# Allegro board DPU_PoE_A1_Oct-9-26.brd (continued)
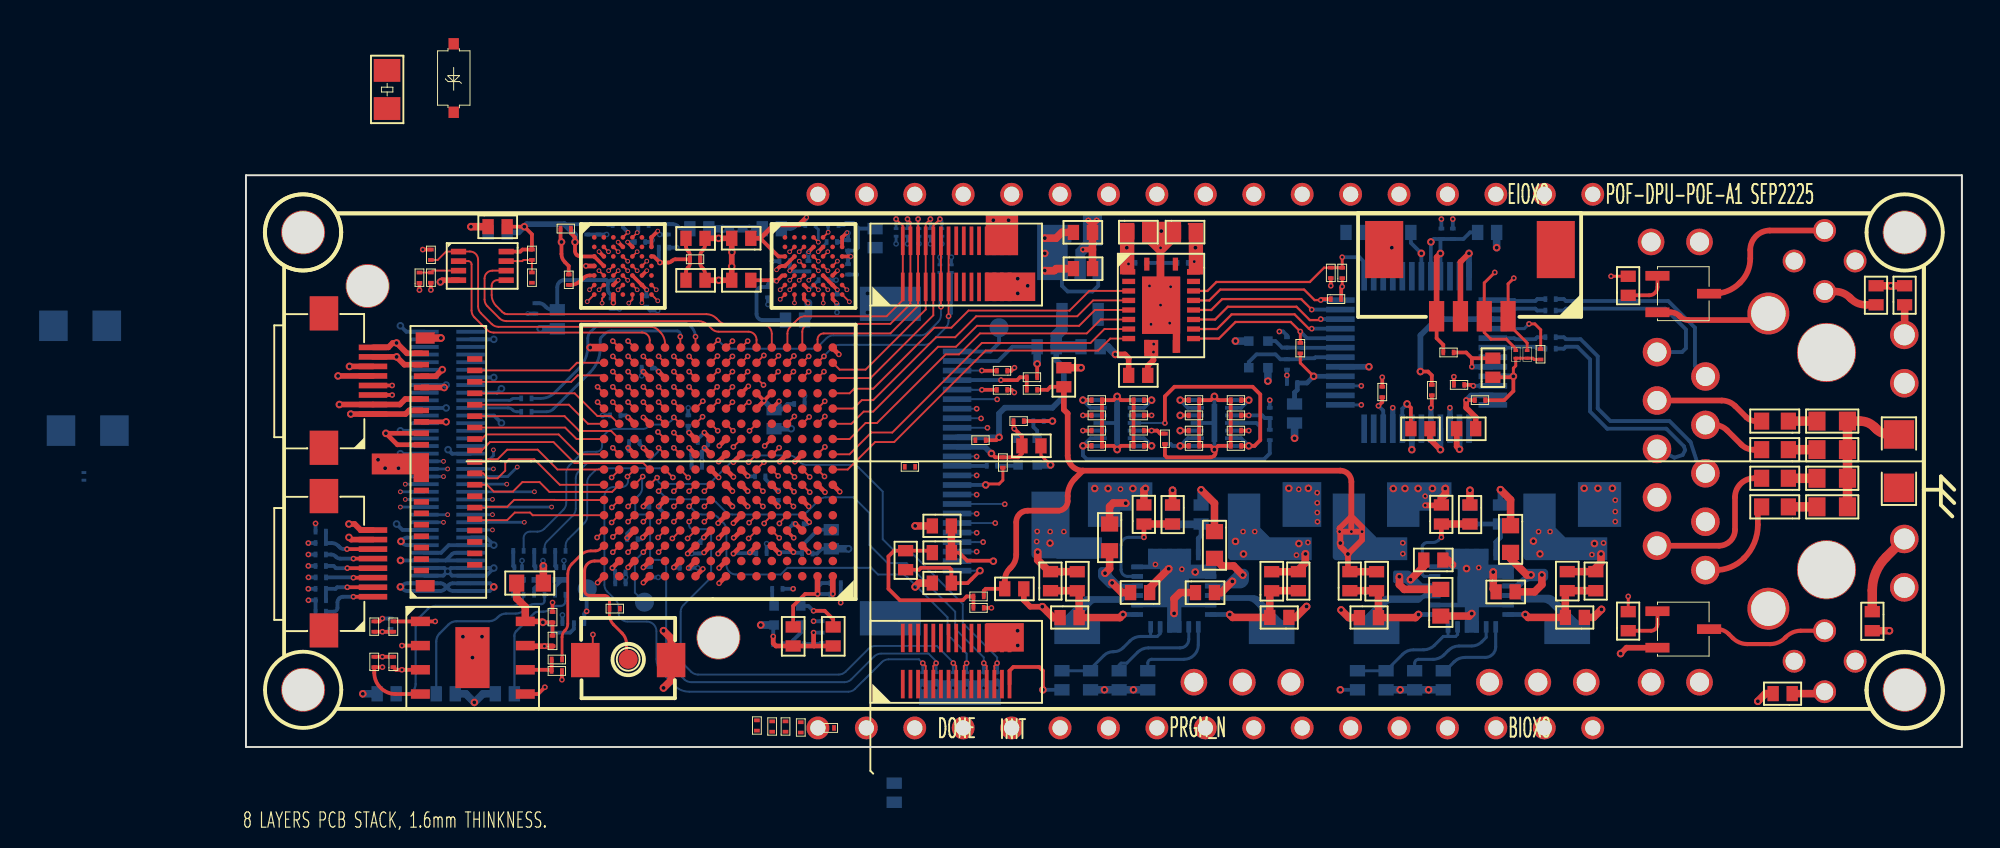
[diagram p0: board, top side]
## Footprints (pads in the part's own frame, mm; a bottom-side part is the same pattern mirrored in y, then rotated) (continued)
CONN-1X2P-2D54
  round 1.4 hole 1: 1(0,0) 2(2.54,0)
CONN-1X3P-2D54
  round 1.4 hole 1: 1(0,0) 2(2.54,0) 3(5.08,0)
DF40HC-70DS_
  rect 0.2x1.5 smd: 1(0,-2.42) 2(0,0) 3(0.4,-2.42) 4(0.4,0) 5(0.8,-2.42) 6(0.8,0) 7(1.2,-2.42) 8(1.2,0) 9(1.6,-2.42) 10(1.6,0) 11(2,-2.42) 12(2,0) 13(2.4,-2.42) 14(2.4,0) 15(2.8,-2.42) 16(2.8,0) 17(3.2,-2.42) 18(3.2,0) 19(3.6,-2.42) 20(3.6,0) 21(4,-2.42) 22(4,0) 23(4.4,-2.42) 24(4.4,0) 25(4.8,-2.42) 26(4.8,0) 27(5.2,-2.42) 28(5.2,0) 29(5.6,-2.42) 30(5.6,0) 31(6,-2.42) 32(6,0) 33(6.4,-2.42) 34(6.4,0) 35(6.8,-2.42) 36(6.8,0) 37(7.2,-2.42) 38(7.2,0) 39(7.6,-2.42) 40(7.6,0) 41(8,-2.42) 42(8,0) 43(8.4,-2.42) 44(8.4,0) 45(8.8,-2.42) 46(8.8,0) 47(9.2,-2.42) 48(9.2,0) 49(9.6,-2.42) 50(9.6,0) 51(10,-2.42) 52(10,0) 53(10.4,-2.42) 54(10.4,0) 55(10.8,-2.42) 56(10.8,0) 57(11.2,-2.42) 58(11.2,0) 59(11.6,-2.42) 60(11.6,0) 61(12,-2.42) 62(12,0) 63(12.4,-2.42) 64(12.4,0) 65(12.8,-2.42) 66(12.8,0) 67(13.2,-2.42) 68(13.2,0) 69(13.6,-2.42) 70(13.6,0)
DF40HC_3D0_30DS_0D4
  rect 0.2x1.5 smd: 1(0,-2.42) 2(0,0) 3(0.4,-2.42) 4(0.4,0) 5(0.8,-2.42) 6(0.8,0) 7(1.2,-2.42) 8(1.2,0) 9(1.6,-2.42) 10(1.6,0) 11(2,-2.42) 12(2,0) 13(2.4,-2.42) 14(2.4,0) 15(2.8,-2.42) 16(2.8,0) 17(3.2,-2.42) 18(3.2,0) 19(3.6,-2.42) 20(3.6,0) 21(4,-2.42) 22(4,0) 23(4.4,-2.42) 24(4.4,0) 25(4.8,-2.42) 26(4.8,0) 27(5.2,-2.42) 28(5.2,0) 29(5.6,-2.42) 30(5.6,0)
DFN-3-1X0D6
  rect 0.2x0.3 smd: 1(0.2,0.34) 2(-0.2,0.34)
  rect 0.8x0.3 smd: 3(0,-0.32)
DSN0603-2
  rect 0.15x0.25 smd: 1(0,0) 2(0.4,0)
FH35C-39S-0D3SHW
  rect 0.3x0.8 smd: 1(5.7,0) 2(5.4,2.8) 3(5.1,0) 4(4.8,2.8) 5(4.5,0) 6(4.2,2.8) 7(3.9,0) 8(3.6,2.8) 9(3.3,0) 10(3,2.8) 11(2.7,0) 12(2.4,2.8) 13(2.1,0) 14(1.8,2.8) 15(1.5,0) 16(1.2,2.8) 17(0.9,0) 18(0.6,2.8) 19(0.3,0) 20(0,2.8) 21(-0.3,0) 22(-0.6,2.8) 23(-0.9,0) 24(-1.2,2.8) 25(-1.5,0) 26(-1.8,2.8) 27(-2.1,0) 28(-2.4,2.8) 29(-2.7,0) 30(-3,2.8) 31(-3.3,0) 32(-3.6,2.8) 33(-3.9,0) 34(-4.2,2.8) 35(-4.5,0) 36(-4.8,2.8) 37(-5.1,0) 38(-5.4,2.8) 39(-5.7,0)
  rect 0.6x1 smd: 40(6.5,0.2) 41(-6.5,0.2)
FPC-0D5-8P
  rect 0.3x1.5 smd: 1(0,0) 2(0.5,0) 3(1,0) 4(1.5,0) 5(2,0) 6(2.5,0) 7(3,0) 8(3.5,0)
  rect 1.8x1.5 smd: 9(-1.767,2.573) 10(5.283,2.573)
FPC-0D5-24P
  rect 0.3x1.5 smd: 1(11.5,0) 2(11,0) 3(10.5,0) 4(10,0) 5(9.5,0) 6(9,0) 7(8.5,0) 8(8,0) 9(7.5,0) 10(7,0) 11(6.5,0) 12(6,0) 13(5.5,0) 14(5,0) 15(4.5,0) 16(4,0) 17(3.5,0) 18(3,0) 19(2.5,0) 20(2,0) 21(1.5,0) 22(1,0) 23(0.5,0) 24(0,0)
  rect 1.8x3.2 smd: 25(-2.5,-3.5) 26(14,-3.5)
IND_SMD_4D4X4D2
  rect 1.05x2.2 smd: 1(0,0) 2(4.4,0)
L0201_SMT
  rect 0.2x0.3 smd: 1(0,0) 2(0.544,0)
LD_CIR_THR_4P
  round 1.2 hole 0.9: 1(1.6,0) 2(-1.6,0) 3(0,1.6) 4(0,-1.6)
LED0402_SMT
  rect 0.6x0.8 smd: 1(0,0) 2(1,0)
LQFP-48
  rect 0.3x1.5 smd: 1(-2.75,-4) 2(-2.25,-4) 3(-1.75,-4) 4(-1.25,-4) 5(-0.75,-4) 6(-0.25,-4) 7(0.25,-4) 8(0.75,-4) 9(1.25,-4) 10(1.75,-4) 11(2.25,-4) 12(2.75,-4) 25(2.75,4) 26(2.25,4) 27(1.75,4) 28(1.25,4) 29(0.75,4) 30(0.25,4) 31(-0.25,4) 32(-0.75,4) 33(-1.25,4) 34(-1.75,4) 35(-2.25,4) 36(-2.75,4)
  rect 1.5x0.3 smd: 13(4,-2.75) 14(4,-2.25) 15(4,-1.75) 16(4,-1.25) 17(4,-0.75) 18(4,-0.25) 19(4,0.25) 20(4,0.75) 21(4,1.25) 22(4,1.75) 23(4,2.25) 24(4,2.75) 37(-4,2.75) 38(-4,2.25) 39(-4,1.75) 40(-4,1.25) 41(-4,0.75) 42(-4,0.25) 43(-4,-0.25) 44(-4,-0.75) 45(-4,-1.25) 46(-4,-1.75) 47(-4,-2.25) 48(-4,-2.75)
R0201_SMT
  rect 0.2x0.3 smd: 1(0,0) 2(0.544,0)
R0402_SMT
  rect 0.6x0.8 smd: 1(0,0) 2(1,0)
R0603_SMT
  rect 0.9x1 smd: 1(0,0) 2(1.6,0)
R0805
  rect 1.2x1.4 smd: 1(0,0) 2(2,0)
RJ-45-POE
  round 1.5 hole 1: 1(5.72,-8.89) 2(4.44,-6.35) 3(3.18,-8.89) 4(1.9,-6.35) 5(0.64,-8.89) 6(-0.64,-6.35) 7(-1.9,-8.89) 8(-3.18,-6.35) 9(-4.44,-8.89) 10(-5.72,-6.35)
  round 1.5 hole 1.1: 11(6.625,4.08) 12(4.085,4.08) 13(-4.085,4.08) 14(-6.625,4.08)
  round 2.2 hole 1.8: GND1(-7.745,-3.05) GND2(7.745,-3.05)
SMD2016-4P
  rect 0.5x0.5 smd: 1(0,-1) 2(1.4,-1) 3(1.4,0) 4(0,0)
SMD-1D25-4P-DEG0
  rect 0.8x1.6 smd: 1(0,0) 2(1.25,0) 3(2.5,0) 4(3.75,0)
  rect 2x3 smd: 5(6.5,-3.5) 6(-2.5,-3.5)
SOD-123
  rect 0.6x0.55 smd: 1(-1.795,0.005) 2(1.795,0.005)
SOT23-3
  rect 0.51x1.27 smd: 1(0.476,0.434) 2(2.391,0.434) 3(1.415,3.142)
SOT-23-5
  rect 1.2x0.6 smd: 1(0,0) 2(0,-0.95) 3(0,-1.9) 4(2.4,-1.9) 5(2.4,0)
SW_SMD_2P_L3D9_W3D0_P4D5
  rect 1.5x1.8 smd: 1(0,0) 2(4.5,0)
TP_SMD_1D0_NP
  round 1 smd: 1(0,0)
TP_THR_CIR_0D8_1D2
  round 1.2 hole 0.8: 1(0,0)
TQFN-24
  rect 0.25x0.6 smd: 1(-1.25,-1.9) 2(-0.75,-1.9) 3(-0.25,-1.9) 4(0.25,-1.9) 5(0.75,-1.9) 6(1.25,-1.9) 13(1.25,1.9) 14(0.75,1.9) 15(0.25,1.9) 16(-0.25,1.9) 17(-0.75,1.9) 18(-1.25,1.9)
  rect 0.6x0.25 smd: 7(1.95,-1.25) 8(1.95,-0.75) 9(1.95,-0.25) 10(1.95,0.25) 11(1.95,0.75) 12(1.95,1.25) 19(-1.9,1.25) 20(-1.9,0.75) 21(-1.9,0.25) 22(-1.9,-0.25) 23(-1.9,-0.75) 24(-1.9,-1.25)
  rect 1.5x1.5 smd: EPAD(0,0)
UDFN-8-2X3
  rect 0.3x0.8 smd: 1(0,-2.5) 2(0.5,-2.5) 3(1,-2.5) 4(1.5,-2.5) 5(1.5,0) 6(1,0) 7(0.5,0) 8(0,0)
unnamed
  round 3.1 hole 3 unplated: (0,0)
unnamed#2
  round 2.3 hole 2.2 unplated: (0,0)
VQFN-20
  rect 0.68x0.28 smd: 1(-2.157,-0.75) 10(2.158,-0.75) 11(2.158,0.75) 20(-2.157,0.75)
  rect 0.28x0.68 smd: 2(-1.75,-1.7) 3(-1.25,-1.7) 4(-0.75,-1.7) 5(-0.25,-1.7) 6(0.25,-1.7) 7(0.75,-1.7) 8(1.25,-1.7) 9(1.75,-1.7) 12(1.75,1.7) 13(1.25,1.7) 14(0.75,1.7) 15(0.25,1.7) 16(-0.25,1.7) 17(-0.75,1.7) 18(-1.25,1.7) 19(-1.75,1.7)
  rect 3x2 smd: EPAD(0,0)
WFBGA-49
  round 0.25 smd: A1(0,0) A2(0.5,0) A3(1,0) A4(1.5,0) A5(2,0) A6(2.5,0) A7(3,0) B1(0,-0.5) B2(0.5,-0.5) B3(1,-0.5) B4(1.5,-0.5) B5(2,-0.5) B6(2.5,-0.5) B7(3,-0.5) C1(0,-1) C2(0.5,-1) C3(1,-1) C4(1.5,-1) C5(2,-1) C6(2.5,-1) C7(3,-1) D1(0,-1.5) D2(0.5,-1.5) D3(1,-1.5) D4(1.5,-1.5) D5(2,-1.5) D6(2.5,-1.5) D7(3,-1.5) E1(0,-2) E2(0.5,-2) E3(1,-2) E4(1.5,-2) E5(2,-2) E6(2.5,-2) E7(3,-2) F1(0,-2.5) F2(0.5,-2.5) F3(1,-2.5) F4(1.5,-2.5) F5(2,-2.5) F6(2.5,-2.5) F7(3,-2.5) G1(0,-3) G2(0.5,-3) G3(1,-3) G4(1.5,-3) G5(2,-3) G6(2.5,-3) G7(3,-3)
WSON-8-EP-6X5MM
  rect 1x0.5 smd: 1(-2.73,1.9) 2(-2.73,0.63) 3(-2.73,-0.64) 4(-2.73,-1.91) 5(2.77,-1.91) 6(2.77,-0.64) 7(2.77,0.63) 8(2.77,1.9)
  rect 1.8x3.2 smd: EP(0,0)
WSON-14-EP
  rect 0.2x0.7 smd: 1(0,-1.8) 2(0.4,-1.8) 3(0.8,-1.8) 4(1.2,-1.8) 5(1.6,-1.8) 6(2,-1.8) 7(2.4,-1.8) 8(2.4,0) 9(2,0) 10(1.6,0) 11(1.2,0) 12(0.8,0) 13(0.4,0) 14(0,0)
  rect 2x0.3 smd: EP(1.197,-0.895)

## Nets
GND: C1.1 C2.2 C3.2 C4.2 C5.1 C6.1 C7.2 C8.1 C9.1 C10.1 C11.2 C12.1 C13.1 C14.1 C17.1 C18.1 C19.1 C20.1 C21.1 C22.1 C23.1 C24.2 C25.2 C26.1 C27.1 C29.2 C30.2 C31.2 C32.1 C34.2 C36.1 C37.1 C38.1 C40.1 C41.1 C43.1 C44.2 C45.1 C46.1 C47.1 C48.2 C49.2 C50.1 C51.1 C54.2 C55.1 C56.1 C57.2 C58.1 C59.1 C60.1 C61.1 C62.1 C63.1 C64.1 C65.1 C66.1 C67.2 C68.2 C69.2 C70.1 C71.1 C72.1 C73.1 C74.1 C75.1 C76.1 C77.1 C78.1 C79.1 C80.1 C81.1 C82.2 C83.1 C84.1 C85.1 C86.1 C87.1 C88.1 C89.2 C90.2 C91.1 C92.2 C93.2 C94.2 C95.1 C96.1 C97.2 C98.2 C99.1 C100.1 C101.1 C102.2 C103.1 C104.2 C105.2 C106.1 C107.1 C108.1 C109.1 C110.1 C111.2 C112.1 C113.1 C114.1 C115.1 C116.2 C117.1 C118.1 C119.2 C120.1 C121.2 C122.1 C123.1 C124.1 C125.1 C126.1 C127.2 C128.2 C129.2 C130.1 C131.2 C132.1 C133.1 C134.1 C135.1 C136.2 C137.1 C138.2 C139.1 C140.1 C141.1 C142.2 C143.1 C144.2 C145.2 C146.1 D1.1 D2.1 D3.1 D4.1 D5.1 D6.1 D7.2 D8.1 D9.1 D11.1 D12.1 D13.1 D14.1 D15.1 D20.1 D21.1 D22.1 J2.24 J2.26 J2.28 J2.30 J4.6 J4.8 J4.10 J4.12 J5.7 J5.9 J5.10 J6.2 J6.15 J6.25 J6.26 J7.5 J7.6 J7.7 J7.8 J7.11 J7.14 J7.16 J7.17 J7.37 J7.38 J7.43 J7.48 J7.49 J7.54 J7.55 J7.58 J7.68 J7.69 J8.3 J8.5 J8.6 J9.5 J9.6 J9.9 J9.10 J10.3 J11.3 Q1.2(E) Q2.2(E) Q3.2(EMITTER) Q4.2(EMITTER) Q5.2(EMITTER) R3.1 R4.1 R13.2 R15.2 R19.2 R32.2 R33.2 R37.2 R40.1 R41.1 R42.1 R45.1 R56.2 R58.2 R70.1 R71.1 R72.1 R73.1 R86.2 R90.1 SW1.1 U1.A7 U1.B4 U1.B7 U1.C2 U1.D1 U1.E6 U1.G3 U1.G6(VSSQ#G6) U2.A7 U2.B4 U2.B7 U2.C2 U2.D1 U2.E6 U2.G3 U2.G6(VSSQ#G6) U3.11 U3.EPAD U4.4 U5.11 U5.EP U6.11 U6.EP U7.A1 U7.A8 U7.A10 U7.A13 U7.A16 U7.B8 U7.B10 U7.B14(VSSSD#B14) U7.C3 U7.C6 U7.C9 U7.C10 U7.D3 U7.D8 U7.D14 U7.E7 U7.E8 U7.F3 U7.F12 U7.G1 U7.G2 U7.G5 U7.G8 U7.H8 U7.H9 U7.J3 U7.J7 U7.J8 U7.J9 U7.J14 U7.L13 U7.M5 U7.N7 U7.P13 U7.T1 U7.T16 U8.2 U9.4 U9.EP U11.3 U11.4 U11.8 U11.12 U11.13 U11.14 U11.15 U11.16 U11.17 U11.19 U11.20 U11.23 U11.EPAD U12.3 U12.9 U12.14 U12.16 U12.19 U12.29 U12.48 U13.GND1 U13.GND2 U14.3 U14.4 U14.8 U14.12 U14.13 U14.14 U14.15 U14.16 U14.17 U14.19 U14.20 U14.23 U14.EPAD Y1.23 Y1.25 Y1.27 Y1.33 Y1.35 Y1.40 Y1.41 Y2.2 Y2.4(GND#4) Y3.2 Y4.2
GND_EARTH: C35.1
P1V0: C53.2 C60.2 C105.1 C111.1 C113.2 C116.1 C127.1 C128.1 C129.1 C130.2 C131.1 C134.2 C135.2 C136.1 C138.1 C144.1 L3.2 R47.2 U7.A2 U7.B15 U7.C4 U7.C5 U7.C7 U7.D7 U7.D9 U7.H7 U7.J10 U7.K9
P1V5: C29.1 C34.1 C48.1 J6.10 U8.5(OUT)
P1V8: C1.2 C3.1 C4.1 C5.2 C6.2 C7.1 C9.2 C10.2 C11.1 C12.2 C17.2 C18.2 C19.2 C22.2 C30.1 C31.1 C47.2 C49.1 C52.2 C54.1 C55.2 C57.1 C59.2 C63.2 C64.2 C65.2 C66.2 C67.1 C68.1 C69.1 C70.2 C71.2 C72.2 C74.2 C75.2 C76.2 C77.2 C78.2 C79.2 C80.2 C81.2 C82.1 C83.2 C84.2 C85.2 C86.2 C87.2 C88.2 C89.1 C90.1 C94.1 C96.2 C99.2 C100.2 C104.1 C106.2 C117.2 C123.2 C124.2 C125.2 C126.2 C132.2 C133.2 C137.2 C139.2 C140.2 C141.2 C145.1 C146.2 J2.23 J2.25 J2.27 J2.29 J5.8 J6.11 J9.1 J9.2 L4.2 R11.1 R12.1 R14.1 R16.1 R17.1 R28.2 R39.2 R46.2 R48.1 R50.2 R51.2 R52.2 R53.2 R55.2 R61.1 R62.2 R63.1 R64.2 R85.1 R87.1 R88.1 R89.1 U1.B5 U1.C1 U1.C7 U1.D2 U1.E1 U1.E5 U1.F3 U1.F6 U2.B5 U2.C1 U2.C7 U2.D2 U2.E1 U2.E5 U2.F3 U2.F6 U3.2 U3.10 U4.8 U5.1 U5.2 U7.B11 U7.B13 U7.C8 U7.D13 U7.E3 U7.F5 U7.F7 U7.F8 U7.F13 U7.G7 U7.J4 U7.J13 U7.K8 U7.K10 U7.L14 U7.M6 U7.N5 U7.N6 U7.P12 U8.1 U8.3 U9.8 Y1.29 Y1.31 Y3.4(VCC) Y4.4(VCC)
P2V8: C16.2 C23.2 C24.1 C97.1 FB1.1 FB3.1 J4.16 J4.18 J4.20 J4.22 L1.2 R9.2
P3V3: C2.1 C8.2 C15.2 C27.2 C40.2 C73.2 C91.2 C92.1 C93.1 C98.1 C102.1 C119.1 C142.1 D20.2 FB2.1 J4.24 J4.26 J4.28 J4.30 J8.4 J9.7 J9.8 L2.2 R6.2 R7.2 R8.2 R10.1 R21.2 R24.2 R49.2 R60.2 U3.19(VCCB) U6.1 U6.2 U6.6 U6.7 U12.28 U12.43 U12.44 U12.45 Y1.37 Y1.39
P3V3A: C36.2 C37.2 C41.2 C45.2 C46.2 FB2.2 U12.4 U12.8 U12.11 U12.15 U12.17 U12.21
P5V0: C13.2 C14.2 C20.2 C21.2 C50.2 C51.2 C61.2 C62.2 C107.2 C121.1 C122.2 D7.1(CATHODE) D17.2 D18.2 D19.2 F1.2 J10.1 J11.1 R1.2 R18.1 R35.2 R57.1 R65.2 R66.2 R67.2 R76.2 R77.2 R84.2 U5.4 U5.6 U5.7 U6.4 U11.10 U11.21 U14.10 U14.21 Y1.17 Y1.19 Y1.21
P5V0_IN: F1.1
ACTLED: U12.27 U13.12
BIO-3: U7.G11
BIO-8: U7.H10
BIO-9: U7.H11
C13: TP8.1(TP) U7.C13
CENTER12: C28.2 J12.1 U13.3
CENTER56: C33.2 J12.2 U13.4
DBG_RXD: D21.2 J8.1 U7.K5
DBG_TXD: D22.2 J8.2 U7.H6
DONE: R53.1 TP4.1(TP) U7.B16
DVP_D0: J6.19 U7.E4
DVP_D1: J6.21 U7.E6
DVP_D2: J6.22 U7.D6
DVP_D3: J6.20 U7.E5
DVP_D4: J6.18 U7.D5
DVP_D5: J6.16 U7.F6
DVP_D6: J6.14 U7.G3
DVP_D7: J6.12 U7.H2
DVP_HSYNC: J6.9 U7.H3
DVP_MCLK: J6.13 R30.2
DVP_PCLK: J6.17 U7.F4
DVP_PWDN: J6.8 U7.J2
DVP_RST: J6.6 U7.J5
DVP_SCL: J6.5 R17.2 U7.L3
DVP_SDA: J6.3 R16.2 U7.M2
DVP_VSYNC: J6.7(VSYNC) U7.H4
E_CSN: U3.9 U7.H1
E_INT: U3.5 U7.M1
E_MISO: U3.7 U7.K1
E_MOSI: U3.6 U7.L1
E_RST: U3.4 U7.N1
E_SCLK: U3.8 U7.J1
EIO-1: U7.L6
EIO-4: U7.G6
EN_ME1: R35.1 R36.1 U14.5 U14.6
EN_ME2: R1.1 R2.1 U11.5 U11.6
ETH_CSN: R24.1 U3.12 U12.32
ETH_INT: R21.1 U3.16 U12.36
ETH_MISO: U3.14 U12.34
ETH_MOSI: U3.15 U12.35
ETH_RST: C25.1 R10.2 U3.17 U12.37
ETH_SCLK: U3.13 U12.33
FP_LED0: J9.3 U7.M7
FP_LED1: J9.4 U7.M8
H1_CKN: U2.B2 U7.T8
H1_CKP: U2.B3 U7.T7
H1_CS: R62.1 U2.A4 U7.P5
H1_D0: U2.D4 U7.P7
H1_D1: U2.D3 U7.R8
H1_D2: U2.C5 U7.P3
H1_D3: U2.D5 U7.R4
H1_D4: U2.D6 U7.P4
H1_D5: U2.E4 U7.R5
H1_D6: U2.E3 U7.R6
H1_D7: U2.E2 U7.R7
H1_D8: U2.F5 U7.L10
H1_D9: U2.F1 U7.R9
H1_D10: U2.F7 U7.L8
H1_D11: U2.F2 U7.P8
H1_D12: U2.G5 U7.M9
H1_D13: U2.G1 U7.P9
H1_D14: U2.G7 U7.L9
H1_D15: U2.G2 U7.N9
H1_RST: R61.2 U2.A5 U7.P6
H1_RWDS0: U2.C4 U7.R3
H1_RWDS1: U2.F4 U7.N8
H2_CKN: U1.B2 U7.T15
H2_CKP: U1.B3 U7.T14
H2_CS: R64.1 U1.A4 U7.R10
H2_D0: U1.D4 U7.N12
H2_D1: U1.D3 U7.N13
H2_D2: U1.C5 U7.P11
H2_D3: U1.D5 U7.R12
H2_D4: U1.D6 U7.N11
H2_D5: U1.E4 U7.R13
H2_D6: U1.E3 U7.R14
H2_D7: U1.E2 U7.P14
H2_D8: U1.F5 U7.M11
H2_D9: U1.F1 U7.N15
H2_D10: U1.F7 U7.N10
H2_D11: U1.F2 U7.R15
H2_D12: U1.G5 U7.M12
H2_D13: U1.G1 U7.P15
H2_D14: U1.G7 U7.M10
H2_D15: U1.G2 U7.N14
H2_RST: R63.2 U1.A5 U7.P10
H2_RWDS0: U1.C4 U7.R11
H2_RWDS1: U1.F4 U7.M13
INIT_N: R48.2 TP2.1(TP) U7.D11
IO-1: Y1.1
IO-2: Y1.3
IO-3: U7.R16 Y1.36
IO-4: U7.P16 Y1.34
IO-5: U7.L15 Y1.32
IO-6: U7.L16 Y1.30
IO-7: U7.K15 Y1.28
IO-8: U7.K16 Y1.26
IO-9: U7.J16 Y1.24
IO-10: U7.H13 Y1.22
IO-11: U7.H16 Y1.20
IO-12: U7.G16 Y1.18
IO-13: U7.G15 Y1.16
IO-14: U7.F16 Y1.12
IO-15: U7.E16 Y1.10
IO_E10: D1.2 J4.15 U7.E10
IO_F10: D5.2 J4.17 U7.F10
IO_G12: D3.2 J4.23 U7.G12
IO_G13: D6.2 J4.25 U7.G13
IO_G14: D4.2 J4.9 U7.G14
IO_H14: D2.2 J4.7 U7.H14
IO_LED_1: R80.1 U7.L11
IO_LED_2: R79.1 U7.J12
IO_LED_3: R78.1 U7.H12
IO_P1: D13.2 J2.9 J2.10 U7.P1
IO_R1: D12.2 J2.7 J2.8 U7.R1
IO_R2: D15.2 J2.13 J2.14 U7.R2
IO_T2: D11.2 J2.5 J2.6 U7.T2
IO_T3: D8.2 J2.3 J2.4 U7.T3
IO_T4: D9.2 J2.1 J2.2 U7.T4
IO_T9: D14.2 J2.11 J2.12 U7.T9
IR_1V8: C103.2 J7.9 J7.10 J7.12 U5.13 U5.14
IR_1V8_EN: C108.2 R71.2 R74.2 U5.3
IR_3V3: C118.2 J7.13 J7.15 R74.1 U6.8 U6.9(VOUT2.)
IR_3V3_EN: C112.2 R72.2 R75.2 U6.5
IR_5V0: C120.2 J7.1 J7.2 J7.3 J7.4 R75.1 U5.8 U5.9(VOUT2.)
IR_D0: J7.18 U7.E15
IR_D1: J7.19 U7.E12
IR_D2: J7.20 U7.F9
IR_D3: J7.21 U7.E13
IR_D4: J7.22 U7.G10
IR_D5: J7.23 U7.F15
IR_D6: J7.24 U7.E9
IR_D7: J7.25 U7.H15
IR_D8: J7.26 U7.G9
IR_D9: J7.27 U7.J15
IR_D10: J7.28 U7.K7
IR_D11: J7.29 U7.K12
IR_D12: J7.30 U7.J11
IR_D13: J7.31 U7.L12
IR_D14: J7.32 U7.K11
IR_D15: J7.33 U7.M16
IR_HSYNC: J7.34 U7.M15
IR_PCLK: J7.36 U7.M14
IR_PWR_EN: R73.2 U5.5 U7.M4
IR_UART_RX: R69.1 U7.T11
IR_UART_TX: R68.1 U7.T10
IR_VSYNC: J7.35 U7.N16
JTAG_EN: J5.6 R89.2 R90.2 U7.D10
LD_3V3: C101.2 U6.13 U6.14
LD_3V3_EN: R70.2 U6.3
LINKLED: U12.25 U13.14
MCLK: R54.1 U7.C16
MCSN: R51.1 U7.C15 U9.1
MD0: U7.C14 U9.5
MD1: U7.D16 U9.2
MD2: R55.1 U7.D15 U9.3(W#/SIO2)
MD3: R52.1 U7.D12 U9.7
MIPI1_CLK+: U7.D1
MIPI1_CLK-: U7.D2
MIPI1_D0+: U7.E1
MIPI1_D0-: U7.E2
MIPI1_D1+: U7.C1
MIPI1_D1-: U7.C2
MIPI2_CLK+: U7.A5
MIPI2_CLK-: U7.B5
MIPI2_D0+: U7.A4
MIPI2_D0-: U7.B4
MIPI2_D1+: U7.A6
MIPI2_D1-: U7.B6
NC.12: U12.12
PROGRAM_N: C58.2 J5.2 R50.1 SW1.2 U7.C12
PWR_EN_EXT: J4.29 R2.2 R36.2
RN: R25.1 U13.6
RP: R27.1 U13.5
SPARE7: C39.2 J13.1 U13.9
SPARE8: C42.2 J13.2 U13.10
SPI_CS: R11.2 U4.1 U7.T12
SPI_SCK: U4.6 U7.T6
SPI_SI: U4.5 U7.T5
SPI_SO: U4.2 U7.T13
SYNC-1: R57.2 R58.1 U14.11(SYNC)
SYNC-2: R18.2 R19.1 U11.11(SYNC)
SYS_CLK: R38.2 U7.D4
TCK: J5.3 R86.1 U7.F14
TDI: J5.5 R88.2 U7.F11
TDO: J5.1 R85.2 U7.E14
TMS: J5.4 R87.2 U7.E11
TN: R20.1 U13.2
TP: R22.1 U13.1
TP_P2: U7.P2
UPLD_TXD1: R5.2 U7.H5
UPLD_TXD2: R59.2 U7.G4
N760129: C26.2 FB1.2 J6.4
N760503: C56.2 FB3.2 R43.1 R44.1
N762812: R28.1 R32.1 Y3.1
N763219: R30.1 Y3.3
N900708: R54.2 R56.1 U9.6
N925866: U7.J6
N990170: R37.1 R39.1 Y4.1
N990230: R38.1 Y4.3
N1026841: R12.2 R13.1 U4.3(W\P\)
N1026851: R14.2 R15.1 U4.7
N1402837: U7.L4
N1593173: D18.1(CATHODE) R83.2
N1593177: D19.1(CATHODE) R82.2
N1593181: D17.1(CATHODE) R81.2
N1593233: Q5.3 R83.1
N1593237: Q4.3 R82.1
N1593241: Q3.3 R81.1
N1593321: Q5.1 R80.2
N1593325: Q4.1 R79.2
N1593329: Q3.1 R78.2
N1599549: L3.1 U14.9
N1609517: C143.2 R84.1 U14.18
N1613601: C53.1 R41.2 R47.1 U14.7
N1616720: L4.1 U14.22
N1616768: C52.1 R40.2 R46.1 U14.24
N1627713: R77.1 U14.2
N1630418: R76.1 U14.1
N2071731: L1.1 U11.9
N2071767: R66.1 U11.2
N2071821: C16.1 R4.2 R9.1 U11.7
N2072037: C95.2 R67.1 U11.18
N2072149: L2.1 U11.22
N2072181: R65.1 U11.1
N2072229: C15.1 R3.2 R8.1 U11.24
N2690332: J6.1 TP7.1(TP)
N2822398: J7.50 R69.2
N2822416: J7.52 R68.2
N2837557: C110.2 U5.12
N2837561: C115.2 U5.10
N2851475: C109.2 U6.12
N2851539: C114.2 U6.10
N2872165: J6.23 R44.2 R45.2
N2872169: J6.24 R42.2 R43.2
N2902183: R20.2 U12.1
N2902195: R22.2 U12.2
N2902207: R25.2 U12.5
N2902219: R27.2 U12.6
N2910858: R33.1 U12.10
N2920519: C44.1 U12.20
N2922742: C43.2 U12.22
N2933507: C32.2 R29.2 U12.31(XO) Y2.3
N2934366: C38.2 R29.1 U12.30 Y2.1
N2966266: R49.1 U13.13
N2966270: R7.1 U13.11
N2982594: C35.2 R23.2 R26.2 R31.2 R34.2
N3084182: U7.K6
N3194519: LD1.2 Q1.3
N3194698: LD1.1 R6.1
N3194743: Q1.1 R5.1
N3194934: LD2.1 R60.1
N3195021: LD2.2 Q2.3
N3195213: Q2.1 R59.1
N29811470: C28.1 R23.1
N29812170: C33.1 R26.1
N29812430: C39.1 R31.1
N29812690: C42.1 R34.1

Pads without a net: J2 15 16 17 18 19 20 21 22; J4 1 2 3 4 5 11 13 14 19 21 27; J7 39 40 41 42 44 45 46 47 51 53 56 57 59 60 61 62 63 64 65 66 67 70; J10 2; J11 2; LD1 3 4; LD2 3 4; TP9 1; TP10 1; TP11 1; TP12 1; TP13 1; TP14 1; TP15 1; TP16 1; TP17 1; TP18 1; TP19 1; TP20 1; TP21 1; TP22 1; TP23 1; TP24 1; TP25 1; TP26 1; TP27 1; TP28 1; TP29 1; TP30 1; TP31 1; TP32 1; TP33 1; TP34 1; TP35 1; TP36 1; TP37 1; TP38 1; TP39 1; TP40 1; TP41 1; TP42 1; U1 A1 A2 A3 A6 B1 B6 C3 C6 D7 E7 G4; U2 A1 A2 A3 A6 B1 B6 C3 C6 D7 E7 G4; U3 1 3 18 20; U7 A3 A7 A9 A11 A12 A14 A15 B1 B2 B3 B7 B9 B12 C11 F1 F2 K2 K3 K4 K13 K14 L2 L5 L7 M3 N2 N3 N4; U8 4; U12 7 13 18 23 24 26 38 39 40 41 42 46 47; U13 7 8; Y1 2 4 5 6 7 8 9 11 13 14 15 38

## Via types
v1: diameter 0.3, hole 0.15, TOP to BOTTOM, 297 vias
v2: diameter 0.4, hole 0.2, TOP to BOTTOM, 145 vias
v3: diameter 0.25, hole 0.15, TOP to BOTTOM, 73 vias
v4: diameter 0.3, hole 0.15, TOP to GND-2, 40 vias
v5: diameter 0.25, hole 0.15, TOP to GND-2, 11 vias
v6: diameter 0.4, hole 0.2, TOP to GND-2, 14 vias
v7: diameter 0.4, hole 0.2, GND-7 to BOTTOM, 23 vias
v8: diameter 0.3, hole 0.15, GND-7 to BOTTOM, 45 vias
v9: diameter 0.25, hole 0.15, GND-7 to BOTTOM, 1 via

## Routing (per net, layer and track width the routed paths; a pad name or vN(x,y) marks a point on that pad's centre or on a via; arc(x,y) is an arc through that point)
GND: length 248.4
  TOP w0.102: U7.T1 30.78,20.92
  TOP w0.157: C31.2 39.7,14 39.5,13.8 38.85,13.8 v2(38.8,13.75) ; C37.1 67.57,20.33 67.5,20.4 D21.1 D22.1 66.6,20 66.48,19.88 v2(66.48,19.45) ; C66.1 41.7,15.3 v2(42.2,14.8)
  TOP w0.2: U1.C2 18.53,25.98 18.53,25.98 v5(18.52,25.99) ; U2.G6 30.77,23.5 v5(30.98,23.29) ; C112.1 48.2,15.3 48.3,15.2 50.58,15.2 arc(50.69,15.22) 50.79,15.29 50.8,15.3 arc(50.86,15.45) 50.8,15.6 v2(50.8,15.61) ; v5(21.02,24.99) U1.E6 ; C22.1 16.5,26.55 v2(16.55,26.5) 16.55,25.87 arc(16.59,25.64) 16.72,25.45 16.93,25.24 C10.1 ; R33.2 v1(63.36,19.43) ; C26.1 v2(41.5,20.1) ; v2(61.6,19.7) 62,19.7 62.2,19.5 C46.1 ; C56.1 v4(39.1,7.3) ; C59.1 7,6.59 v1(7.15,6.74) ; v5(20.77,23.31) U1.G6 ; U2.G3 29.27,23.5 v5(29.48,23.29) ; C41.1 66,18.2 66.48,18.68 v2(66.48,19.45) 66.43,19.4 C36.1 ; R13.2 v1(9.7,23.98) ; C43.1 v1(59.6,19.4) ; v4(27.92,13.42) U7.G5 ; v5(27.83,25.04) 27.96,25.17 arc(28.04,25.22) 28.13,25.24 U2.D1 U2.C2 ; U1.B7 U1.A7 v5(21.6,27.07) ; U9.4 7.85,2.78 arc(7.06,3.11) 6.73,3.9 C64.1 v1(7.16,4.19) ; v2(50.8,15.61) 50.6,15.8 C120.1 C115.1 C110.1 C103.1 50.6,18.2 v2(50.8,18.39) 50.99,18.2 C104.2 51.65,18.19 R71.1 R73.1 51.65,15.81 C121.2 50.99,15.8 v2(50.8,15.61) ; U2.B4 v5(29.52,25.99) ; C11.2 24.08,24.83 arc(24.05,24.98) 23.97,25.1 23.94,25.13 arc(23.86,25.25) 23.83,25.39 C9.1 23.83,25.79 arc(23.86,25.93) 23.94,26.05 23.97,26.08 arc(24.05,26.2) 24.08,26.35 C3.2 ; U2.E6 v5(31.02,24.99) ; v2(42.3,17.1) C117.1 ; U1.B4 v5(19.52,26.49) ; R56.2 v4(16.57,3.53) ; C25.2 v1(56.9,24.2) ; U7.M5 v4(27.96,18.14) ; U2.B7 U2.A7 v5(31.52,26.99) ; C57.2 v4(16.08,7.58) ; U7.N7 v4(26.35,18.93) ; C118.1 45.5,15.8 v2(45.7,15.61) 45.89,15.8 C102.2 46.55,15.81 R72.1 R70.1 46.56,17.41 C119.2 45.89,18.2 v2(45.7,18.39) 45.5,18.2 C101.1 C109.1 C114.1 C118.1
  TOP w0.25: U1.G3 v4(19.27,23.31) ; v1(29.77,6) 29.77,5.33 29.8,5.3 ; U7.B14 v4(20.04,9.42) ; 29.8,5.3 C65.1 ; 29.8,5.3 C60.1 27.8,5.3 27.66,5.44 v1(27.66,5.8) ; Y1.27 v6(10.5,17.06) ; U7.E8 v4(24.77,11.74) ; U7.P13 v4(20.84,19.7) ; Y1.23 7.94,15.86 v2(7.34,16.46) Y1.25 ; v4(20.04,15.7) U7.J14 ; U7.E7 v4(25.57,11.74) ; v4(23.16,10.14) U7.C10 ; U7.B8 v4(24.82,9.39) ; v4(23.96,9.34) U7.A10 ; 30.78,20.92 v4(31.1,20.6) ; v4(24.8,14.14) U7.H9 ; U7.G8 v4(25.52,13.42) ; v4(24.79,14.97) U7.J8 ; U7.A8 v4(24.82,8.59) ; U7.D3 29.17,11.36 v4(28.82,11.71) ; U7.J7 v4(25.57,14.94) ; U7.C6 v4(26.43,10.2) ; U7.H8 v4(25.57,14.17) ; U7.C3 v4(29.52,10.22) ; U7.D14 v4(19.99,10.97) ; U7.A16 v4(18.44,8.62) ; U7.G2 v4(30.37,13.37) ; v4(21.64,12.62) U7.F12 ; U7.F3 v4(29.52,12.62) ; v4(24.79,10.97) U7.D8 ; U7.C9 v4(24.02,10.2) ; v4(31.14,13.39) U7.G1 ; U7.L13 v4(20.84,17.3) ; v4(28.79,14.97) U7.J3 ; U1.D1 v4(17.83,25.24) ; U7.A13 v4(20.84,8.62) ; U7.J9 v4(24.04,15.7) ; U7.B10 v4(23.21,9.39)
  TOP w0.3: J8.3 63.7,25.45 v2(64.15,25.9) ; U4.4 10.29,24.49 v2(10.2,24.4) ; 74.03,5.21 72.41,5.21 v2(72.1,4.9) ; C3.2 v6(24.79,26.69) C4.2 25.48,25.97 v6(25.49,25.96) 25.48,25.95 v6(25.48,25.22) C12.1 v6(24.8,24.49) C11.2 ; C24.2 40.8,7.7 41.14,7.36 v2(41.77,7.36) ; J9.6 v2(5.43,19.97) ; v4(30.78,8.03) U7.A1 ; C44.2 62.1,16.15 v2(62.65,15.6) ; v2(45.6,20.6) 46.1,20.6 46.3,20.4 C55.1 ; R19.2 62.68,12.68 v1(61.85,12.68) ; J5.7 5.52,10.88 v6(5.4,11) ; Y1.35 9.96,19.46 v6(10.3,19.8) ; v2(63.65,15.62) 63.5,15.77 C45.1 ; Q1.2 74.73,22.81 arc(74.97,22.76) 75.17,22.63 75.22,22.58 arc(75.42,22.45) 75.66,22.4 79.29,22.4 arc(79.49,22.44) 79.66,22.55 U13.GND2 ; Y1.33 v6(10.4,18.86) ; v1(44.62,27.63) 44.4,27.4 v1(44.18,27.63) ; J9.5 v2(4.83,19.47) ; 44.4,26.1 v1(43.9,26.1)
  TOP w0.4: C51.1 47.4,8.35 v2(48.4,9.35) ; v2(55.63,7.37) 55.06,6.8 R40.1 ; C20.1 66.33,12.97 v2(65.8,13.5) ; R45.1 v2(35.1,11.6) ; C21.1 64.16,6.87 v2(64.29,7) ; C63.1 v6(15.6,9.5) ; v2(46.14,12.79) 46.13,12.8 45.49,12.8 45.3,12.61 C61.1 ; v6(35.1,8.4) 35.3,8.6 R42.1 ; v2(71.1,7.22) 70.68,6.8 R3.1 ; C14.1 63.04,9.81 v1(63.29,9.56) ; U7.T16 v6(18.05,20.96) ; R58.2 47.1,13.48 v2(47.18,13.56) ; R4.1 57.84,6.79 v2(57.44,7.19) ; C23.1 v2(43.8,19.9) ; v2(41.77,7.36) 42.34,6.79 R41.1 ; v6(21.9,3.1) 22.3,3.5 SW1.1 22.3,5.7 v6(21.9,6.1) ; C50.1 65.42,8.29 v2(65.42,9.18) ; v2(62.9,13.56) 62.91,13.56 62.91,13.27 62.7,13.06 R19.2 ; C146.1 v2(11.8,27.3) ; 44.4,27.4 C17.1 C89.2 ; Y1.41 v6(10.23,21.46) ; C13.1 49,8.1 48.68,7.78 v2(48.68,7.01) ; C62.1 50.8,12.79 v2(50.1,13.49)
  BOTTOM w0.102: Q5.2 v8(14.48,9.78) ; 19.91,8.91 v8(19.91,8.9) ; Q3.2 v8(16.68,9.78) ; Q4.2 v8(15.58,9.78)
  BOTTOM w0.15: D11.1 v8(35.3,26.4) ; D13.1 v8(36.5,26.4) ; D4.1 v8(36.2,3.1) ; D2.1 v8(35.5,3.1) ; D1.1 v8(37.1,3.1) ; D8.1 v8(34.7,26.4) ; D12.1 v8(35.9,26.4) ; D15.1 v8(37,25.7) ; D5.1 v8(37.8,3.1) ; D14.1 v8(36.4,25.7) ; D9.1 v8(34.1,26.4)
  BOTTOM w0.157: J7.37 v7(8.1,15.39)
  BOTTOM w0.2: v7(8.1,22.1) 8.41,21.79 J7.69 ; J7.11 10.23,10.19 10.63,10.59 J7.14 v7(13,10.59) 12.6,10.99 J7.16 ; D6.1 v8(39.4,3.1) ; C78.1 v8(22.6,26.2) ; C1.1 v1(29.77,6) ; C27.1 v1(54.6,19.5) C38.1 ; J6.2 39.45,20.25 40.2,21 C48.2 ; Y4.2 27.66,6.36 v1(27.66,5.8) R37.2 ; C132.1 v8(23.7,9.4) ; C80.1 v8(29.5,25.9) ; C2.2 47.97,25.4 ; 47.97,25.4 47.97,25.4 v1(47.97,26.19) ; 47.97,25.4 C74.1 ; v1(31.19,7.57) C136.2 31.2,8.01 C135.1 ; C131.2 19.91,8.59 C134.1 ; C99.1 v8(18.7,17.4) ; v8(18.92,26.89) C71.1 C72.1 ; C73.1 v1(62.7,27.7) ; v8(30.96,24.5) 30.9,24.5 30.89,24.49 C83.1 ; v8(21.6,22.9) 21.2,22.9 C86.1 ; C106.1 v8(20.1,15.57) ; C123.1 27.8,13.5 v8(27.5,13.8) 27.24,14.06 C116.2 ; v1(54.2,21.8) 54.4,21.8 54.6,21.6 C32.1 ; C140.1 v8(16.6,6.93) ; C127.2 30.2,10.4 29.95,10.15 C129.2 ; J6.15 v2(38.8,13.75) ; v7(7.9,11.7) 8.21,11.39 J7.17 ; C133.1 v8(21.63,8.9) ; v7(13.4,17) 13.01,17.39 J7.48 ; C141.1 v1(7.15,6.74) ; J7.38 10.81,15.39 v7(10.6,15.6) ; C85.1 v8(31,22.8) ; C113.1 23.92,14.98 23.91,14.99 v8(23.91,15.02) C111.2 23.9,15.35 23.9,15.5 24.24,15.84 C105.2 ; R86.2 v1(3.28,8.9) ; v7(10.58,9.22) 10.35,8.99 J7.5 ; v7(10.58,9.22) 10.75,9.39 J7.8 v7(13,9.39) 12.6,8.99 J7.6 10.81,8.99 v7(10.58,9.22) ; v7(10.58,9.22) 10.41,9.39 J7.7 ; C75.1 21.2,26.5 v8(21.3,26.6) ; C137.1 v1(29.77,6.6) ; C58.1 v1(3.27,8.3) ; v8(20.4,11.4) 20.2,11.4 20,11.2 C126.1 ; U5.EP v2(50.8,18.39) ; U5.EP 50.79,17 U5.11 ; U5.EP v2(50.8,15.61) ; C100.1 v8(23.2,17.8) ; v7(10.5,18.99) J7.55 ; R90.1 v1(3.65,11.73) ; C70.1 v8(21.7,26.89) ; C125.1 28.69,11.69 v8(28.38,11.38) ; C79.1 v8(27.61,25.49) ; U6.11 45.69,17 U6.EP ; C94.2 v8(20.76,19.47) ; C96.1 v8(29.3,18.43) ; C108.1 v1(53.7,18.2) ; R32.2 v2(42.3,17.1) ; C76.1 31.2,26.5 31.3,26.6 31.57,26.6 C77.1 v8(31.58,26.97) ; C130.1 v8(27.31,10.67) ; C91.1 v1(63.3,27.7) ; J7.68 v7(13,21.39) ; C88.1 v9(14.78,22.74) ; C87.1 v8(19.59,22.99) ; C128.2 v8(23.37,10.16) ; D3.1 v8(38.7,3.1) ; C84.1 v8(27.38,23.22) ; J7.49 v7(10.5,17.79) ; C81.1 v8(32.01,24.79) ; J7.58 v7(13,19.39) ; v7(13.4,18.8) 13.19,18.59 J7.54 ; C124.1 21.7,12.5 22,12.2 v8(22.1,12.2) ; J7.43 v7(8.1,16.59)
  BOTTOM w0.3: U12.14 v2(63.65,15.62) ; C95.1 v2(65.8,13.5) ; U12.19 v2(61.15,15.6) ; v2(45.7,18.39) U6.EP v2(45.7,15.61) ; U12.9 v2(66.48,19.45) ; U12.48 v2(64.15,25.9) ; v2(61.6,19.7) 61.6,21.6 62.45,22.45 U12.3 ; U12.29 v2(58.9,19.95) ; C6.1 12.4,27.3 v2(11.8,27.3) ; U12.16 v2(62.65,15.6) ; C82.2 v7(28.6,16.7)
  BOTTOM w0.4: Y2.2 v2(51.9,21.3) ; C40.1 v2(55,16.2) ; C67.2 26.41,27.19 v7(26.4,27.2) 26.39,27.19 v7(25.7,27.19) 25.01,27.19 v7(25,27.2) 24.99,27.19 C68.2 ; Y4.2 v2(27,6.4) ; Y2.4 v2(53.6,19.2) ; C127.2 v7(31.6,10.4) ; C92.2 v2(65.6,26.2) ; C34.2 45.2,21 v2(45.6,20.6) ; C69.2 v7(15.44,21.94) ; C142.2 v2(60.1,26.2) ; Y3.2 v2(42.2,14.8) ; C90.2 29.5,22.6 v7(29.5,23.3) ; C48.2 v2(41.5,20.1) ; C143.1 v2(50.1,13.49)
  vias: v1(45.87,13.53) v1(47.39,24.19) v1(47.47,22.18) v1(47.7,9.58) v1(47.97,23.19) v1(48.5,24.15) v1(48.45,22.24) v1(49.09,9.33) v1(55.22,13.52) v1(56.19,13.34) v1(56.19,12.81) v1(56.19,12.3) v1(56.2,11.82) v1(61.85,13.16) v1(64.66,9.41) v1(71.82,12.95) v1(71.82,12.35) v1(71.82,11.83) v2(11.38,5.79) v2(11.88,4.69) v2(12.38,5.79) v2(39.2,27.64) v2(40,27.64) v2(44.52,13.56) v2(45.22,13.56) v2(46.52,13.56) v2(48.01,27.07) v2(49.79,9.18) v2(54.7,13.57) v2(55.72,13.57) v2(60.18,13.56) v2(60.79,13.56) v2(61.48,13.56) v2(62.23,13.56) v2(64.02,9.36) v2(70.19,13.57) v2(70.91,13.57) v2(71.67,13.57) v7(32.6,23.8) v7(32.6,22.8)
P1V0: length 90.1
  TOP w0.2: C60.2 28.7,7.4 29.33,8.03 v1(29.98,8.03)
  TOP w0.25: v1(25.58,10.98) 25.6,10.98 U7.D7 ; U7.C5 v1(27.97,10.17) ; U7.H7 v1(26.32,14.22) ; U7.C4 v1(28.72,10.22) ; U7.D9 v1(24.02,10.99) ; v1(24.04,16.5) 24.38,16.16 ; v1(23.24,15.7) U7.J10 ; U7.B15 v1(19.21,9.39) ; U7.C7 v1(25.57,10.14)
  TOP w0.3: U7.A2 v1(29.98,8.03)
  TOP w0.4: v2(41.53,10.23) 41.53,9.81 42.14,9.2 R47.2 43.59,9.2 C53.2
  SIG-3 w0.16: 31.3,12.2 30,12.2 ; 30,12.2 30,12.3 29.3,13 25.9,13 25.35,13.55 ; 30,12.2 24.82,12.2 24.8,12.18
  SIG-3 w0.2: v1(41.5,11.31) 41.5,10.8 v1(41.48,10.78) ; v1(41.5,11.31) 42.17,11.31 v1(42.18,11.3) ; v1(41.5,11.31) 41.5,11.9 ; 35.5,12.74 31.84,12.74 30.2,11.1 30.2,8.25 v1(29.98,8.03) ; 35.5,12.74 39.05,12.74 39.9,11.9 41.5,11.9 ; 35.5,12.74 36.2,13.44 36.2,14.3 36.65,14.74 39.55,14.74 41.5,12.8 41.5,11.9 ; 42.77,11.3 v1(42.18,11.3) ; 42.77,11.3 42.18,10.71 ; 42.77,11.3 v1(42.9,11.3) ; v1(42.18,11.3) 42.18,10.71 ; v2(42.17,10.7) 41.7,10.23 v2(41.53,10.23) 41.48,10.28 v1(41.48,10.78) ; v2(42.17,10.7) 42.18,10.71 ; v2(42.17,10.7) 42.09,10.78 v1(41.48,10.78)
  SIG-3 w0.25: v1(26.32,14.22) 26.02,14.22 24.8,13 24.8,10.99 ; 24.8,10.99 v1(24.02,10.99) 24.02,10.61 23.2,9.8 23.2,9.1 22.8,8.7 19.91,8.7 v1(19.21,9.39) ; 24.8,10.99 25.57,10.99 v1(25.58,10.98) 25.58,10.16 v1(25.57,10.14) 27.95,10.14 v1(27.97,10.17) 28.66,10.17 v1(28.72,10.22)
  SIG-6 w0.25: 24.04,15.7 23.25,15.7 v1(23.24,15.7) ; 24.04,15.7 25.34,14.4 ; 24.04,15.7 v1(24.04,16.5) ; v1(25.57,10.14) 25.57,10.96 v1(25.58,10.98) 25.57,10.99 24.8,10.99 ; v1(24.02,10.99) 24.8,10.99 ; 24.8,10.99 24.8,13.86 25.34,14.4 ; 25.34,14.4 26.14,14.4 v1(26.32,14.22)
  BOTTOM w0.2: v1(27.97,10.17) 28.02,10.22 v1(28.72,10.22) 28.75,10.19 29.13,10.19 C129.1 29.17,10.57 30,11.4 C127.1 ; v1(24.04,16.5) 23.7,16.15 C105.1 ; v1(26.32,14.22) 26.34,14.2 C116.1 ; C135.2 30.2,8.6 29.98,8.38 v1(29.98,8.03) 30.62,8.03 C136.1 ; 23.24,15.66 23.37,15.53 C111.1 23.37,15.33 C113.2 ; v1(19.21,9.39) 19.36,9.25 C131.1 19.37,9.15 C134.2 ; v1(24.02,10.99) 23.8,10.78 C128.1 ; v1(25.57,10.14) 25.59,10.17 C130.2
